# Altium PCB Copy of PCB_V0.0.PcbDoc (part 2 of 2)
Units mm, origin at the board's own origin, x right, y up, seen from the top; angles counter-clockwise.
Board outline 199 x 99 mm, 2 copper layers (Top Layer, Bottom Layer); 323 components, 326 nets, 1579 pads, 48 vias.
Unrouted connection lines stored in the file: 934.
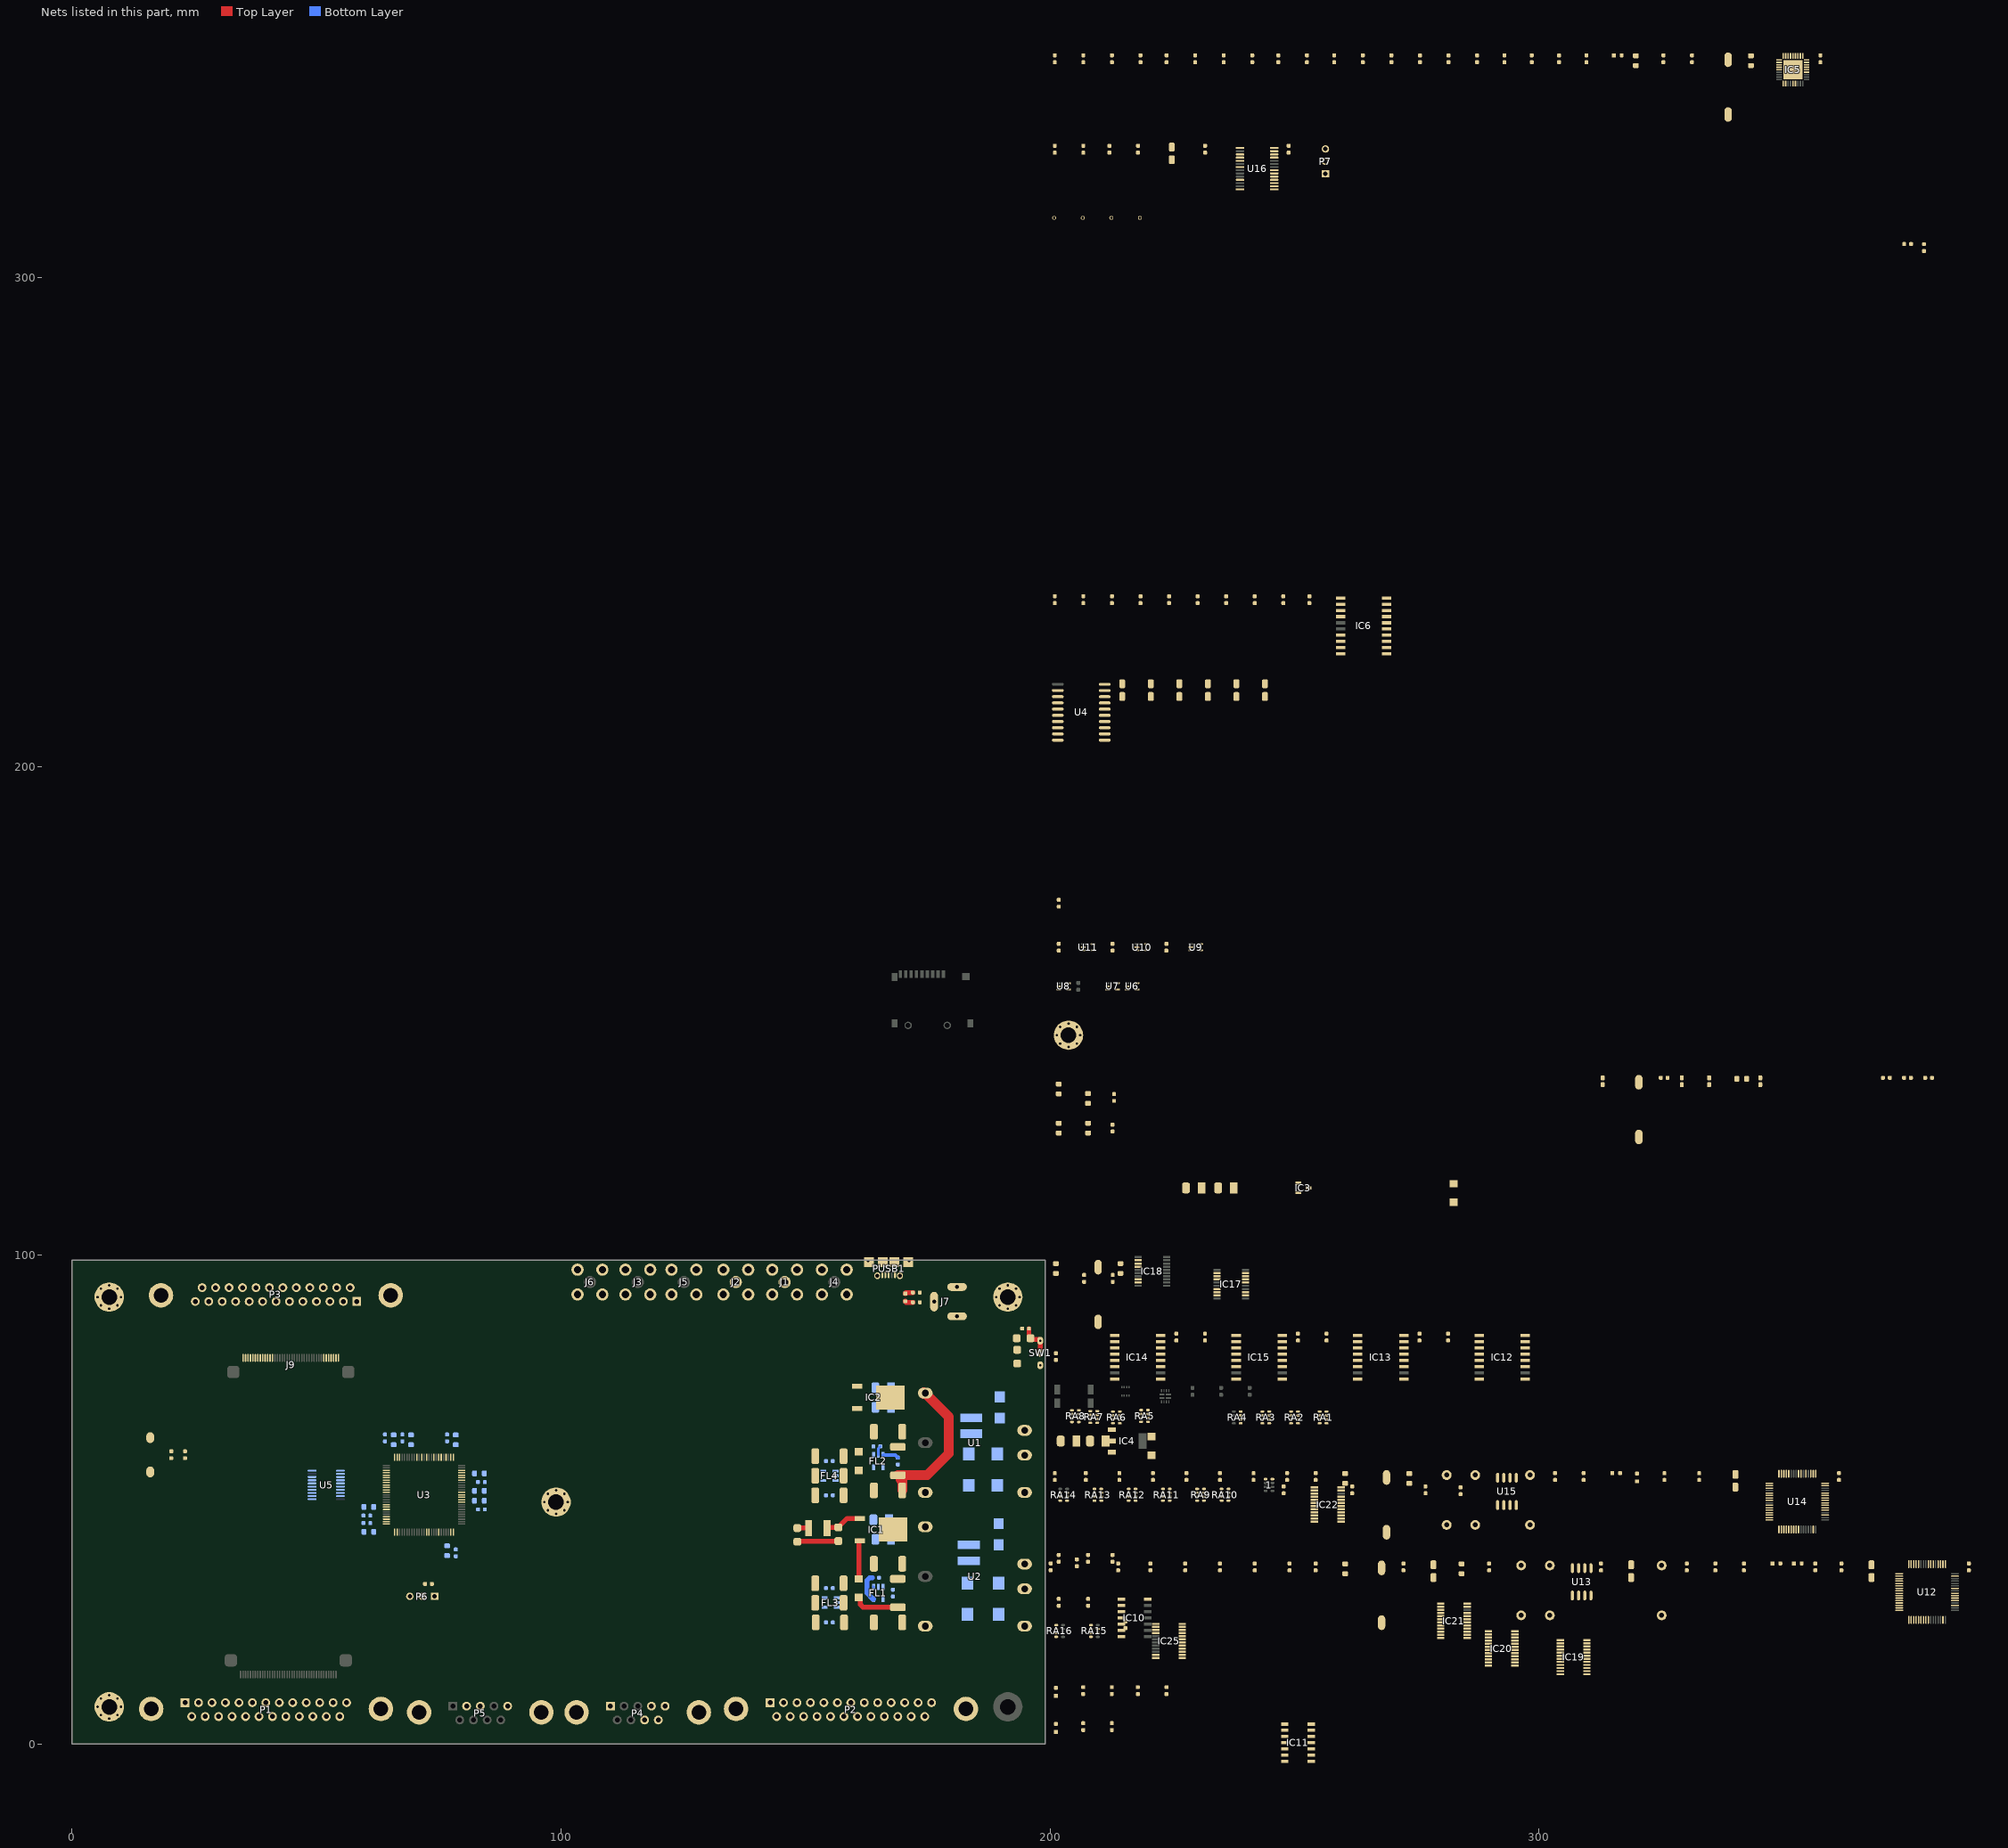
[diagram p2: the nets of this part, all layers, seen from the top]

## Part data
1 RA1 RA2 RA3 RA4 RA5 RA6 RA7 RA8 RA9 RA10 RA11 RA12 RA13 RA14 RA15 RA16: library part RES_SMD_PACK_X4, "RESISTOR, SMD, PACKX4", MANF=MANF, MANF_P#=MANF_PART#
C1 C39 C41 C42 C43 C44 C45 C46 C47 C48 C49 C50 C51 C83 C84 C86 C89 C91 C92 C93 C94 C95 C96 C97 C99 C100 C103 C104 C105 C106 C107 C108 C109 C110 C111 C113: library part CAP_SMD_FILM_1u16v_1210, "CAP, FILM, 1uF, 16V, Acryl, 20%, 1210", ASSEMBLY=ASSEMBLY, DESC=-, MANF=Panasonic, MANF_P#=ECP-U1C105MA5, PARAM="Acrylic, MetallizedStacked, 20%, -40~85oC", PARAM2=16V, PRICE="100= 36$"
C4: library part CAP_SMD_MLCC_10u16V, "CAP, MLCC, X5R, 10uF, 10%, 16V, 0603", MANF=Murata, MANF_P#=GRT188R61C106KE13D, PARAM="X5R, 10%, -55~85°C", PARAM2=16V, PRICE="100= 20$"
C9 C10 C11 C12 C13 C14 C15 C16: library part CAP_SMD_TAN, "CAP, SMD, TAN,", PARAM2=-V
C17: library part CAP_SMD_MLCC_1206, "CAP, MLCC, -F, -V, MATERIAL, -%, 0201", ASSEMBLY=ASSEMBLY, MANF=-, MANF_P#=MANF_PART#, PARAM="-, -%", PARAM2=-V, PRICE="100= 1$"
C22 C23 C25 C27 C29 C31 C33 C35 C118: library part CAP_SMD_MLCC_2.2u50V_0805, "CAP, MLCC", ASSEMBLY=ASSEMBLY, DESC="CAP, MLCC", DIST#=MOUSER, MANF="Taiyo Yuden", MANF_P#=UMK212ABJ225KG-T, PARAM="X5R, 10%", PARAM2=50V, PRICE="100= 10$"
C24 C26 C28 C30 C32 C34 C36 C37 C74 C75 C76 C77 C78 C79 C80 C81 C119: library part CAP_SMD_MLCC_2.2u50V_0603, "CAP, MLCC", ASSEMBLY=ASSEMBLY, DESC="CAP, MLCC", DIST#=MOUSER, MANF=TDK, MANF_P#=C1005X7R1H104K050BB, PARAM="X7R, 10%", PARAM2=50V, PRICE="1000= 27$"
C38 C40 C87 C90 C101 C102 C116 C117: library part CAP_SMD_MLCC, "CAP, MLCC, 1nF, 50V, C0G, 10%, 0402", ASSEMBLY=ASSEMBLY, DESC=-, MANF=Murata, MANF_P#=-, PARAM="C0G, 10%", PARAM2=50V, PRICE="100= 1.4$"
C52 C53 C54 C55 C56 C57 C58 C59 C66 C67 C68 C69 C70 C71 C72 C73: library part CAP_SMD_MLCC_10u25V_0603, "CAP, MLCC", MANF=Murata, MANF_P#=GRM188R61E106KA73, PARAM="X5R, 10%", PARAM2=25V, PRICE=100=15$
C60 C61 C62 C63 C64 C65 C82 C85 C88 C98 C112: library part CAP_SMD_TAN_10uF_6.3V, "CAP, SMD, TAN", MANF=VISHAY, MANF_P#=T55A106M6R3C0300, PARAM="20%, 300mOhm, -55~105oC", PARAM2=6.3V, PRICE=0.46$
D1 D8 D13 D14: library part LED_SMD_0603_RED, "LED, SMD, 0603, RED", ASSEMBLY=ASSEMBLY, DESC=DESCRIPTION, MANF=MANF, MANF_P#=MANF_PART#, PARAM="30mA, 640nm", PARAM2=1.8~2.5V, PRICE=PRICE
D2 D3: "Diode", Manufacturer_Name="HY Electronic", Height=2.44mm, Manufacturer_Part_Number=SS510B
D4 D5 D6 D7: "Diode", Manufacturer_Name=Shikues, Datasheet Link=https://eastronic88.en.made-in-china.com/print/FZStilOdyghn/China-Schottky-Barrier-Rectifier-Diode-SS24F-2-0A-40V-SMAF.html, Height=1.1mm, Manufacturer_Part_Number=SS24F
D9 D10 D11 D12: library part TVS_PGB0010603MR, "TVS, ESD PROTECT, 24VDC, Bidirectional", MANF=LittelFuse, MANF_P#=PGB0010603MR
FB1 FB2 FB3 FB4 FB5: library part FBEAD_SMD_MPZ1608S102, "FERRITE_Bead, 0603, 0.8A, 300mOhm, 1000@100MHz", MANF=TDK, MANF_P#=MPZ1608S102ATA00, PARAM=1000@100MHz, PARAM2=0.8A, PRICE="100= 3.4$"
FL1 FL2 FL3 FL4: "Filter", Manufacturer_Name="Texas Instruments", Mouser Part Number=595-INA180A3IDBVR, Arrow Part Number=INA180A3IDBVR, Arrow Price/Stock=https://www.arrow.com/en/products/ina180a3idbvr/texas-instruments?region=nac, Datasheet Link=http://www.ti.com/lit/gpn/INA180, Height=1.45mm, Manufacturer_Part_Number=INA180A3IDBVR, Mouser Price/Stock=https://www.mouser.co.uk/ProductDetail/Texas-Instruments/INA180A3IDBVR?qs=5aG0NVq1C4xT61h4EgbaIA%3D%3D
IC1 IC2: "Integrated Circuit", Manufacturer_Name=STMicroelectronics, Mouser Part Number=511-LF33CDT, Datasheet Link=http://www.st.com/web/en/resource/technical/document/datasheet/CD00000546.pdf, Height=2.4mm, Manufacturer_Part_Number=LF33CDT, Mouser Price/Stock=https://www.mouser.co.uk/ProductDetail/STMicroelectronics/LF33CDT?qs=tZUCD5p2VWo1sRQNOfAbrg%3D%3D
IC3: "Integrated Circuit", Arrow Part Number=MCP1700T-3302E/TT, Manufacturer_Name=Microchip, Mouser Part Number=579-MCP1700T3302E/TT, Arrow Price/Stock=https://www.arrow.com/en/products/mcp1700t-3302ett/microchip-technology?region=europe, Datasheet Link=https://datasheet.datasheetarchive.com/originals/distributors/SFDatasheet-4/sf-00090030.pdf, Height=1.12mm, Manufacturer_Part_Number=MCP1700T-3302E/TT, Mouser Price/Stock=https://www.mouser.co.uk/ProductDetail/Microchip-Technology/MCP1700T-3302E-TT?qs=fM4xO01eazPmCNDrdHEdaw%3D%3D
IC4: "Integrated Circuit", Manufacturer_Name=STMicroelectronics, Mouser Part Number=511-LD1117S18CTR, Arrow Part Number=LD1117S18CTR, Arrow Price/Stock=https://www.arrow.com/en/products/ld1117s18ctr/stmicroelectronics?region=nac, Datasheet Link=http://www.st.com/st-web-ui/static/active/en/resource/technical/document/datasheet/CD00000544.pdf, Height=1.8mm, Manufacturer_Part_Number=LD1117S18CTR, Mouser Price/Stock=https://www.mouser.co.uk/ProductDetail/STMicroelectronics/LD1117S18CTR?qs=qolwYojYp3Sa3BPkKnJupg%3D%3D
IC5: "Integrated Circuit", Manufacturer_Name=Microchip, Mouser Part Number=886-USB2514B-AEZG, Arrow Part Number=USB2514B-AEZG, Arrow Price/Stock=https://www.arrow.com/en/products/usb2514b-aezg/microchip-technology?region=nac, Datasheet Link=http://ww1.microchip.com/downloads/en/DeviceDoc/00001692C.pdf, Height=1mm, Manufacturer_Part_Number=USB2514B-AEZG, Mouser Price/Stock=https://www.mouser.co.uk/ProductDetail/Microchip-Technology/USB2514B-AEZG?qs=ydWXD%252B8LvLCxuNqQPTEcVA%3D%3D
IC6: "Integrated Circuit", Manufacturer_Name="Analog Devices", Mouser Part Number=584-ADM2587EBRWZ, Arrow Part Number=ADM2587EBRWZ, Arrow Price/Stock=https://www.arrow.com/en/products/adm2587ebrwz/analog-devices?region=nac, Datasheet Link=http://www.analog.com/static/imported-files/data_sheets/ADM2582E_2587E.pdf, Height=2.65mm, Manufacturer_Part_Number=ADM2587EBRWZ, Mouser Price/Stock=https://www.mouser.co.uk/ProductDetail/Analog-Devices/ADM2587EBRWZ?qs=BpaRKvA4VqEzsBsna6VmlA%3D%3D
IC10 IC11: "Integrated Circuit", Manufacturer_Name="Texas Instruments", Mouser Part Number=595-SN74LVC07AD, Arrow Part Number=SN74LVC07AD, Arrow Price/Stock=https://www.arrow.com/en/products/sn74lvc07ad/texas-instruments?region=nac, Datasheet Link=http://www.ti.com/lit/ds/symlink/sn74lvc07a.pdf, Height=1.75mm, Manufacturer_Part_Number=SN74LVC07AD, Mouser Price/Stock=https://www.mouser.co.uk/ProductDetail/Texas-Instruments/SN74LVC07AD?qs=8yeEWhuAOtMkbU1H3MsIVg%3D%3D
IC12 IC13 IC14 IC15: "Integrated Circuit", Manufacturer_Name="Analog Devices", Mouser Part Number=584-ADUM1400BRWZ-R, Arrow Part Number=ADUM1400BRWZ-RL, Arrow Price/Stock=https://www.arrow.com/en/products/adum1400brwz-rl/analog-devices?region=nac, Datasheet Link=https://www.analog.com/ADUM1400/datasheet, Height=2.65mm, Manufacturer_Part_Number=ADUM1400BRWZ-RL, Mouser Price/Stock=https://www.mouser.co.uk/ProductDetail/Analog-Devices/ADUM1400BRWZ-RL?qs=WIvQP4zGanh%2FP3K3z%252BgM%252Bw%3D%3D
IC17 IC18: "Integrated Circuit", Manufacturer_Name="Texas Instruments", Mouser Part Number=595-TMUX1134PWR, Arrow Part Number=TMUX1134PWR, Arrow Price/Stock=null?region=nac, Datasheet Link=https://www.ti.com/lit/gpn/TMUX1134, Height=1.2mm, Manufacturer_Part_Number=TMUX1134PWR, Mouser Price/Stock=https://www.mouser.co.uk/ProductDetail/Texas-Instruments/TMUX1134PWR?qs=%252B6g0mu59x7L8VGQncKsYmQ%3D%3D
IC19 IC20 IC21 IC22 IC25: "Integrated Circuit", Manufacturer_Name="Texas Instruments", Mouser Part Number=595-SN74LVC8T245DBQR, Arrow Part Number=SN74LVC8T245DBQR, Arrow Price/Stock=https://www.arrow.com/en/products/sn74lvc8t245dbqr/texas-instruments?region=nac, Datasheet Link=http://www.ti.com/lit/gpn/sn74lvc8t245, Height=1.75mm, Manufacturer_Part_Number=SN74LVC8T245DBQR, Mouser Price/Stock=https://www.mouser.co.uk/ProductDetail/Texas-Instruments/SN74LVC8T245DBQR?qs=dT9u2OTAaVXsrjZUGB3%252Bbw%3D%3D
IC23: "Integrated Circuit", Manufacturer_Name="Texas Instruments", Mouser Part Number=595-TPS2121RUXR, Arrow Part Number=TPS2121RUXR, Arrow Price/Stock=null?utm_currency=USD&region=nac, Datasheet Link=https://www.ti.com/lit/gpn/TPS2121, Height=1mm, Manufacturer_Part_Number=TPS2121RUXR, Mouser Price/Stock=https://www.mouser.co.uk/ProductDetail/Texas-Instruments/TPS2121RUXR?qs=qSfuJ%252Bfl%2Fd7dCYiVnUfngQ%3D%3D
IC24: "Integrated Circuit", Manufacturer_Name="Texas Instruments", Mouser Part Number=595-TPS2116DRLR, Arrow Part Number=TPS2116DRLR, Arrow Price/Stock=https://www.arrow.com/en/products/tps2116drlr/texas-instruments?region=nac, Datasheet Link=https://www.ti.com/lit/gpn/tps2116, Height=0.6mm, Manufacturer_Part_Number=TPS2116DRLR, Mouser Price/Stock=https://www.mouser.co.uk/ProductDetail/Texas-Instruments/TPS2116DRLR?qs=aP1CjGhiNiGo3XAyXcVPaQ%3D%3D
J1 J2 J3 J4 J5 J6: library part CONN_RF_SMA_RA, "CONN, RF, SMA, Right Angle", ASSEMBLY=ASSEMBLY, DESC=DESCRIPTION, DIST#=DIGIKEY, MANF=Samtec, MANF_P#=SMA-J-P-H-RA-TH1, PARAM="50Ohm, 20GHz", PARAM2=GOLD, PRICE=6.3$
J7: library part CONN_PWR_JACKR2, "CONN, PWR JACK DC, PLUG DIAM 2.0MM RA THD", MANF="CUI STACK", MANF_P#="PJ-202A, PJ-002AH, PJ-102AH, KLDX-0202"
J8: "Connector", Manufacturer_Name=Suntech, Datasheet Link=http://datasheet.octopart.com/ST-TF-003A-Suntech-datasheet-30458645.pdf, Manufacturer_Part_Number=ST-TF-003A
J9 J10: "CONN, FPC, 0.50mm pitch, RightAngle, Bot. Contact", ComponentLink1Description="Website Smart World", ComponentLink1URL=https://www.smartw.ir/, ComponentLink2Description=Telegram, ComponentLink2URL=https://t.me/altium_smartw, ComponentLink3Description=Instagram, ComponentLink3URL=https://Instagram.com/smartgw.ir, DatasheetVersion=2021
L2 L3: library part CD43NP-220MC, "Inductor", Manufacturer_Name=Sumida, Mouser Part Number=851-CD43NP-220MC, Arrow Part Number=CD43NP-220MC, Arrow Price/Stock=https://www.arrow.com/en/products/cd43np-220mc/sumida?region=nac, Datasheet Link=https://products.sumida.com/products/pdf/CD43.pdf, Height=3.5mm, Manufacturer_Part_Number=CD43NP-220MC, Mouser Price/Stock=https://www.mouser.co.uk/ProductDetail/Sumida/CD43NP-220MC?qs=ttApTud31JYLH5yY3TuJPg%3D%3D
M1 M2 M3 M4 M5 M6: library part SCMH_M3, "SCREW mouting, M3, 3.0mm diameter and 6.0mm PanHead", ASSEMBLY=DNP
P1 P2 P3: library part CONN_DSUB_25RF, "CONN, DSUB, HD, 25PIN, R/A, FEMALE, THD", MANF=-, MANF_P#=-
P4 P5: library part CONN_DSUB_9RF, "CONN, DSUB, HD, 9PIN, R/A, FEMALE, THD", MANF=-, MANF_P#=-
P6 P7: "Header, 3-Pin", ComponentLinkp-URL=https://www.smartw.ir/, DatasheetVersion=2020
PUSB1: library part CONN_USB_MICRO_AB_TM_SHT, "CONN, USB, MICRO AB, R/A, SMD, TOP MOUNT", MANF=MOLEX, MANF_P#=47590-0001, PARAM="1.8A, -20~85oC", PARAM2=30VAC, PRICE=0.75$
R1 R7 R8 R9 R10 R12 R13 R14 R15 R16 R17 R18 R19 R20 R21 R22 R23 R24 R33 R36 R39 R40 R41 R42 R43 R44 R45 R46 R47 R51 R52 R53 R54 R55 R56 R57 R58 R62 R63 R64 R65 R66 R67 R68 R69 R70 R71 R72 R73 R74 R75 R76 R77 R78 R79 R80 R81 R82: library part RES_SMD_0603, "RESISTOR, SMD", ASSEMBLY=ASSEMBLY, DESC=DESCRIPTION, DIST#=MOUSER, MANF=-, MANF_P#=-, PARAM=-W, PARAM2=1%, PRICE="100= 0.5$"
R2 R3 R4 R5 R25 R26 R27 R28 R29 R30 R31 R32: library part RES_SMD_2512, "RESISTOR, SMD", ASSEMBLY=ASSEMBLY, DESC=DESCRIPTION, DIST#=MOUSER, MANF=-, MANF_P#=-, PARAM=-W, PARAM2=1%, PRICE="100= 0.5$"
R6: library part RES_SMD_1206, "RESISTOR, SMD", ASSEMBLY=ASSEMBLY, DESC=DESCRIPTION, DIST#=MOUSER, MANF=-, MANF_P#=-, PARAM=-W, PARAM2=1%, PRICE="100= 0.5$"
R11: library part RES_SMD, "RESISTOR, SMD", ASSEMBLY=ASSEMBLY, DESC=DESCRIPTION, DIST#=MOUSER, MANF=-, MANF_P#=-, PARAM=-W, PARAM2=1%, PRICE="100= 0.5$"
R34 R35 R37 R38: library part RES_SMD_0805, "RESISTOR, SMD", ASSEMBLY=ASSEMBLY, DESC=DESCRIPTION, DIST#=MOUSER, MANF=-, MANF_P#=-, PARAM=-W, PARAM2=1%, PRICE="100= 0.5$"
R48 R49 R50 R59 R60 R61: library part RES_THD, "RESISTOR, THD", ASSEMBLY=ASSEMBLY, DESC=DESCRIPTION, DIST#=MOUSER, MANF="KOA SPEER", MANF_P#=RK73H1ETTP4701F, PARAM=0.063W, PARAM2=1%, PRICE="100= 0.5$"
SCRW1 SCRW2 SCRW3 SCRW4 SCRW5 SCRW6: library part SCRW_PANH_PHLIPS_M3X5, "SCREW, M3, 3.0mm diameter and 6.0mm PanHead", ASSEMBLY=DNP
SW1: library part SWSLIDT_SPDT_R_8X4, "SWITCH, SLIDE, SPDT, 8X4mm, THD", ASSEMBLY=ASSEMBLY, DESC=DESCRIPTION, MANF=Apem, MANF_PART#=MHSS1105, PARAM=PARAM, PRICE=0.5$
SW2: library part SWPBS_SPST_6X3X5, "SWITCH, PUSH BUTTON, TACTILE, SMD, SPST, 6X3.5X5mm", ASSEMBLY=ASSEMBLY, DESC=DESCRIPTION, MANF=ALPS, MANF_P#=SKQMBBE010, PARAM=PARAM, PRICE=PRICE
TP1 TP2 TP3 TP4: "TEST POINT", MANF=MANF, MANF_P#=MANF_P#
U1 U2: "DC-DC Converter, Isolated, 10W", DESC=https://www.minmax.com.tw/en/download/files/546/MJWI10_Datasheet.pdf, MANF=MINMAX, MANF_P#=MJWI10-24S05, PARAM="2000mA, -40~80°C", PARAM2="9~36(24)Vin, 5Vout, 10W"
U3: "ARMÂ® CortexÂ®-M7 STM32H7 Microcontroller IC 32-Bit Single-Core 280MHz 128KB (128K x 8) FLASH 100-LQFP (14x14)", Package="LQFP-100 STMicroelectronics", Availability="In Stock", Check_prices=https://www.snapeda.com/parts/STM32H7B0VBT6/STMicroelectronics/view-part/?ref=eda, MF=STMicroelectronics, MP=STM32H7B0VBT6, PRICE=None, Purchase-URL=https://pricing.snapeda.com/search/part/STM32H7B0VBT6/?ref=eda, SnapEDA_Link=https://www.snapeda.com/parts/STM32H7B0VBT6/STMicroelectronics/view-part/?ref=snap
U4: library part ADM3251_SO16W, "RS-485 Transceiver, Isolated, iIntegrated Transformer Driver, 460kbps", MANF="Analog Devices", MANF_P#=ADM3251EARWZ, PARAM="2.5KV Isolating, 460kbps, -40~85°C", PARAM2="5/3.3 (VDD1)", PRICE=7$
U5: library part TXB0108_TSSOP20, "Buffer, VOLTAGE-LEVEL TRANSLATOR, 8-BIT, BIDIRECTIONAL, AUTO-DIRECTION SENSING", DESC=50mA, MANF="Texas Instruments", MANF_P#=TXB0108PWR, PARAM="8-BIT, BIDIRECTIONAL, AUTO-DIRECTION SENSING", PARAM2="1.2~3.6VCCA, 1.65~5.5V VCCB (VCCA <= VCCB)"
U6 U7 U8 U9 U10 U11: library part NOT_SN74LVC1G04_SOT353, "GATE, NOT, SINGLE, SOT353 SMD", MANF="Texas Instruments", MANF_P#=SN74LVC1GU04DCK, PARAM2=2~5.5V
U12 U14: library part FT2232HL_QFP64, "USB, DUAL, Multipurpose UART/FIFO, USB High Speed", MANF=FTDI, MANF_P#=FT2232HL, PARAM2=3.3V
U13 U15: library part EEPROM_SPI_AT93C46_SOP8, "EEPROM, SPI, 1KBIT, SOP-8"
U16: library part FT232RL_SSOP28, "USB-UART, Asynchronous Serial Data Transfer Chip, SSOP-28", MANF=FTDI, MANF_P#=FT232RL, PARAM2="3.3~5.25Vcc, 1.8~5.25VIO"
X1: library part XTL_2_32.768_2012EP, "Crystal, 32.768KHz, 12pF, 20PPM", MANF=EPSON, MANF_P#="FC-12M 32.7680KA-A3", PARAM=-40~85oC, PARAM2="12pF, 20PPM", PRICE=0.8$
X2 X3 X4 X5: library part XTL_2_HC49_8MHz_SMD, "Crystal MOST POPULAR ABL HC49 PACKAGE", MANF=ABRACON, MANF_P#=ABLS-8.000MHZ-B4-T, PARAM="8MHz, 18pF, 30PPM, -20~70oC", PRICE=0.3$
Y1: library part Crystal, "Crystal", ComponentLink1Description="Website Smart World", ComponentLink1URL=https://www.smartw.ir/, ComponentLink2Description=Telegram, ComponentLink2URL=https://t.me/altium_smartw, ComponentLink3Description=Instagram, ComponentLink3URL=https://Instagram.com/smartgw.ir, DatasheetVersion=2021
C2 C3 C5 C6 C7 C8 C18 C19 C20 C21 C114 C115 L1: ComponentLink1Description="Website Smart World", ComponentLink1URL=https://www.smartw.ir/, ComponentLink2Description=Telegram, ComponentLink2URL=https://t.me/altium_smartw, ComponentLink3Description=Instagram, ComponentLink3URL=https://Instagram.com/smartgw.ir, DatasheetVersion=2021

## Via types
v1: diameter 0.8, hole 0.5, Top Layer to Bottom Layer, 48 vias

## Nets (pads, with @x,y where several pads share a name; then routed paths per layer and width w, separated by ;. In a path a pad name is that pad's centre, name@x,y a point inside that pad or via, vN(x,y) a via of type N, cw(c..) or ccw(c..) an arc to the next point about the centre after c; other vN are vias at no path point)
50_OHM: IC18.8 J2.1 U7.2
50_OHM_CN: IC18.9 R75.1
"+1V8 ISO": C15.1 D7.1 IC4.2
"+3V3 ISO_Current_Measurement": FL4.1 J9.7
"+3V3 Main_Current_Measurement": FL3.1 U3.34
+5_Current_Measurement: FL1.1 U3.32 | length 0.1
  Bottom Layer w0.5: FL1.1@163.892,32.198 163.942,32.148 FL1.1@163.942,32.138
+5V: C55.2 FL3.5
+5VISO_Current_Measurement: FL2.1 J9.6
+Vin: C1.1 D2.2 D3.2 J7.1 R1.2 R6.1
\G\P\I\0\_\I\N\: 
\G\P\I\1\_\I\N\: 
\G\P\I\2\_\I\N\: 
\G\P\I\3\_\I\N\: 
\G\P\I\4\_\I\N\: 
\G\P\I\5\_\I\N\: 
\G\P\I\6\_\I\N\: 
\G\P\I\7\_\I\N\: 
\G\P\O\0\_\O\U\T\: 
\G\P\O\1\_\O\U\T\: 
\G\P\O\2\_\O\U\T\: 
\G\P\O\3\_\O\U\T\: 
\G\P\O\4\_\O\U\T\: 
\G\P\O\5\_\O\U\T\: 
\G\P\O\6\_\O\U\T\: 
\G\P\O\7\_\O\U\T\: 
"\P\O\W\E\R\E\N\ _FT IN": D13.2 IC19.22 IC20.22 IC25.22 R76.2 U12.60
"\P\O\W\E\R\E\N\ _FT OUT": D14.2 R80.2 U14.60
A_485: IC6.18 P4.4
AGND: J1.2 J1.3 J1.4 J1.5 J2.2 J2.3 J2.4 J2.5 J3.2 J3.3 J3.4 J3.5 J4.2 J4.3 J4.4 J4.5 J5.2 J5.3 J5.4 J5.5 J6.2 J6.3 J6.4 J6.5
B_485: IC6.17 P4.5
BD1(SDA,RX): IC17.3 R45.2 U12.39
BD2(MISO_SPI,TDO_JTAG): IC17.18 R55.2 U14.40
"BD3(CS_SPI , TMS_JTAG)": IC11.9 IC11.11 R56.2 U14.41
BOOT0_MainMCU: R12.1 U3.94
CRFILT: C42.1 C43.1 IC5.14
CS_DISP: J9.5 U3.69
CS_SPI: P1.1 RA6.8
CS_SPI_1: IC11.8 IC20.7
Current_Measurement_1_in+: R3.1 R26.1 U2.3
Current_Measurement_1_in-: C2.2 C9.1 C52.2 D5.2 FL1.5 IC1.1 J9.38 L1.1 R3.2 R25.2 R64.1 TP1.1 U5.2 U6.5 U7.5 U8.5 U9.5 U10.5 U11.5 | length 22.7
  Top Layer w1: L1.1@154.432,44.196 154.562,44.326 C2.2@156.718,44.326 158.56,46.168 IC1.1@161.092,46.168 ; D5.2@160.892,29.988 160.942,29.988 161.207,29.723 161.207,28.574 161.793,27.988 R3.2@168.892,27.988
  Bottom Layer w1: C52.2@163.638,34.036 163.146,34.036 162.56,33.45 162.56,30.92 163.842,29.638 FL1.5@163.942,29.638
Current_Measurement_2_in+: C14.1 D4.2 IC3.3 R2.1 R29.1 U1.3 | length 29.7
  Top Layer w2: R2.1@168.892,54.988 169.492,54.988 174.876,54.988 179.324,59.436 179.324,66.964 U1.3@174.932,71.356 ; R2.1@169.292,54.988 169.492,54.788 169.492,54.116 169.792,53.816 R29.1@169.792,51.888 ; U1.3@174.17,71.61 U1.3@174.17,71.956
Current_Measurement_2_in-: C11.1 C54.2 C58.2 D6.2 FL2.5 FL4.5 IC2.1 J9.37 R2.2 R27.2 TP4.1
Current_Measurement_3_in+: C10.1 C74.1 C76.1 C78.1 C80.1 D5.1 IC1.3 IC12.1 IC13.1 IC14.16 IC15.16 IC19.1 IC20.1 IC25.1 J9.40 R4.2 R8.1 R14.1 R30.1 R43.1 R53.1 R68.1 R82.1 TP2.1 | length 8
  Top Layer w1: D5.1@160.892,33.788 160.892,41.608 IC1.3@161.092,41.608
Current_Measurement_3_in-: R4.1 R28.2
Current_Measurement_4_in+: C12.1 D6.1 IC2.3 R5.2 R32.1
Current_Measurement_4_in-: 1.1 C75.1 C77.1 C79.1 C81.1 IC12.16 IC13.16 IC14.1 IC15.1 IC21.1 IC22.1 J9.39 R5.1 R31.2 R71.1 RA8.5 RA8.6 RA8.7 RA8.8 RA9.2 RA9.3 RA9.4 RA11.8 RA12.1 RA12.5 RA12.6 RA12.7 RA13.2 RA13.3 RA13.4 TP3.1
DC_DISP: J9.4 U3.68
FT232_VCCIO: C110.2 P7.2 R65.2 U16.4
FT232_VDD: C112.1 C113.1 P7.1 R64.2 R66.1 U16.20
FT2232_East_3V3: C100.1 C106.1 C107.1 C108.1 C109.1 R53.2 R54.1 R55.1 R56.1 R59.1 R78.1 R79.1 R80.1 R81.1 U14.20 U14.31 U14.42 U14.50 U14.56 U15.6 U15.8
FT2232_East_DM: D11.2 IC5.3 R57.1
FT2232_East_DP: D12.2 IC5.4 R58.1
FT2232_West_3V3: C84.1 C94.1 C95.1 C96.1 C97.1 FB4.1 FB5.1 R43.2 R44.1 R45.1 R48.1 R76.1 R77.1 U12.20 U12.31 U12.42 U12.50 U12.56 U13.6 U13.8
FT2232_West_DM: D9.1 IC5.1 R46.1
FT2232_West_DP: D10.1 IC5.2 R47.1
FT2232_West_VPHY: C88.1 C89.1 FB5.2 U12.4
FT2232_West_VPLL: C85.1 C86.1 FB4.2 U12.9
GND: C2.1 C3.1 C4.1 C9.2 C10.2 C18.1 C19.1 C20.1 C21.1 C22.2 C23.2 C24.2 C25.2 C26.2 C27.2 C28.2 C29.2 C30.2 C31.2 C32.2 C33.2 C34.2 C35.2 C36.2 C37.2 C38.2 C39.1 C40.2 C41.2 C42.2 C43.2 C44.2 C45.2 C46.1 C47.1 C48.1 C49.1 C50.2 C51.2 C52.1 C55.1 C60.2 C66.2 C67.1 C70.1 C71.2 C74.2 C76.2 C78.2 C80.2 C82.2 C83.2 C84.2 C85.2 C86.2 C87.2 C88.2 C89.2 C90.2 C91.2 C92.2 C93.2 C94.2 C95.2 C96.2 C97.2 C98.2 C99.2 C100.2 C101.2 C102.2 C103.2 C104.2 C105.2 C106.2 C107.2 C108.2 C109.2 C110.1 C111.2 C112.2 C113.2 C116.2 C117.2 C118.2 C119.2 D9.2 D10.2 D11.1 D12.1 FL1.2 IC1.4 IC5.11 IC5.37 IC6.1 IC6.3 IC6.9 IC6.10 IC10.7 IC11.7 IC12.2 IC12.8 IC13.2 IC13.8 IC14.9 IC14.15 IC15.9 IC15.15 IC19.11 IC19.12 IC19.13 IC20.11 IC20.12 IC20.13 IC25.11 IC25.12 IC25.13 J9.34 P1.15 P1.16 P1.17 P1.18 P1.19 P1.20 P1.21 P1.22 P1.23 P1.24 P1.25 P6.3 PUSB1.5 R18.1 R19.1 R20.1 R23.1 R24.1 R49.1 R52.2 R60.1 R63.2 R67.2 R75.2 SW2.1 U2.5 U3.10 U3.19 U3.26 U3.49 U3.74 U3.99 U4.4 U4.5 U4.6 U4.7 U4.10 U5.11 U6.3 U7.3 U8.3 U9.3 U10.3 U11.3 U12.1 U12.5 U12.10 U12.11 U12.13 U12.15 U12.25 U12.35 U12.47 U12.51 U13.5 U13.7 U14.1 U14.5 U14.10 U14.11 U14.13 U14.15 U14.25 U14.35 U14.47 U14.51 U15.5 U15.7 U16.7 U16.18 U16.21 U16.25 U16.26 | length 8.4
  Top Layer w1: C3.1@148.336,41.396 148.401,41.461 156.653,41.461 C2.1@156.718,41.526
GND1: C1.2 C5.1 C6.1 C7.1 C8.1 C17.1 D1.2 J7.2 J7.3 R7.1 U1.2 U2.2 | length 1.7
  Top Layer w1: D1.2@170.382,90.566 170.582,90.366 C1.2@171.982,90.366
GND_ISO: C11.2 C12.2 C13.2 C14.2 C15.2 C16.2 C54.1 C58.1 C75.2 C77.2 C79.2 C81.2 FL2.2 FL3.2 FL4.2 IC2.4 IC3.1 IC4.1 IC12.9 IC12.15 IC13.9 IC13.15 IC14.2 IC14.8 IC15.2 IC15.8 IC21.11 IC21.12 IC21.13 IC22.11 IC22.12 IC22.13 J9.35 P2.1 P2.2 P2.3 P2.4 P2.5 P2.6 P2.7 P2.8 P2.9 P2.10 P2.11 P2.12 P2.13 P3.1 P3.2 P3.3 P3.4 P3.5 P3.6 P3.7 P3.8 P3.9 P3.10 P3.11 P3.12 P3.13 R69.1 R70.1 U1.5 | length 1.9
  Bottom Layer w0.5: FL2.2@164.892,59.138 164.892,60.488 C54.1@165.292,60.888
GND_SER_232: C61.2 C65.1 P5.5 U4.11
GND_SER_485: C68.2 C69.1 C73.1 FB3.2 IC6.14 IC6.16 IC6.20 P4.1
GPI0_IN: IC21.21 P3.15 RA8.1
GPI0_IN_Buff: IC15.3 RA7.1
GPI0_OUT_Buff: IC15.14 U12.16
GPI1_IN: IC21.20 P3.16 RA8.2
GPI1_IN_Buff: IC15.4 RA7.2
GPI1_OUT_Buff: IC15.13 U12.17
GPI2_IN: IC21.19 P3.17 RA8.3
GPI2_IN_Buff: IC15.5 RA7.3
GPI2_OUT_Buff: IC15.12 U12.18
GPI3_IN: IC21.18 P3.18 RA8.4
GPI3_IN_Buff: IC15.6 RA7.4
GPI3_OUT_Buff: IC15.11 U12.19
GPI4_IN: IC21.17 P3.19 RA11.1
GPI4_IN_Buff: IC14.3 RA10.1
GPI4_OUT_Buff: IC14.14 U12.21
GPI5_IN: IC21.16 P3.20 RA12.2
GPI5_IN_Buff: IC14.4 RA11.2
GPI5_OUT_Buff: IC14.13 U12.22
GPI6_IN: IC21.15 P3.21 RA12.3
GPI6_IN_Buff: IC14.5 RA10.3
GPI6_OUT_Buff: IC14.12 U12.23
GPI7_IN: IC21.14 P3.22 RA12.4
GPI7_IN_Buff: IC14.6 RA11.4
GPI7_OUT_Buff: IC14.11 U12.24
GPO0_IN: IC12.3 U14.16
GPO0_OUT: 1.8 IC12.14 IC22.3
GPO0_OUT_Buff: P2.15 RA9.8
GPO1_IN: IC12.4 U14.17
GPO1_OUT: IC12.13 IC22.4 RA9.7
GPO1_OUT_Buff: P2.16 RA10.7
GPO2_IN: IC12.5 U14.18
GPO2_OUT: IC12.12 IC22.5 RA9.6
GPO2_OUT_Buff: P2.17 RA11.6
GPO3_IN: IC12.6 U14.19
GPO3_OUT: IC12.11 IC22.6 RA9.5
GPO3_OUT_Buff: P2.18 RA10.5
GPO4_IN: IC13.3 U14.21
GPO4_OUT: IC13.14 IC22.7 RA12.8
GPO4_OUT_Buff: P2.19 RA13.8
GPO5_IN: IC13.4 U14.22
GPO5_OUT: IC13.13 IC22.8 RA13.7
GPO5_OUT_Buff: P2.20 RA14.7
GPO6_IN: IC13.5 U14.23
GPO6_OUT: IC13.12 IC22.9 RA13.6
GPO6_OUT_Buff: P2.21 RA14.6
GPO7_IN: IC13.6 U14.24
GPO7_OUT: IC13.11 IC22.10 RA13.5
GPO7_OUT_Buff: P2.22 RA14.5
GPO_MCU_1: U3.55 U5.1
GPO_MCU_2: U3.56 U5.3
GPO_MCU_3: U3.57 U5.4
GPO_MCU_4: U3.58 U5.5
GPO_MCU_5: U3.59 U5.6
GPO_MCU_6: U3.60 U5.7
GPO_MCU_7: U3.61 U5.8
GPO_MCU_8: U3.62 U5.9
GPO_MCU_Buffer_1: P1.6 U5.20
GPO_MCU_Buffer_2: P1.7 U5.18
GPO_MCU_Buffer_3: P1.8 U5.17
GPO_MCU_Buffer_4: P1.9 U5.16
GPO_MCU_Buffer_5: P1.10 U5.15
GPO_MCU_Buffer_6: P1.11 U5.14
GPO_MCU_Buffer_7: P1.12 U5.13
GPO_MCU_Buffer_8: P1.13 U5.12
HUB_3V3: C39.2 C41.1 C46.2 C47.2 C48.2 C49.2 IC5.5 IC5.10 IC5.15 IC5.23 IC5.29 IC5.36 R14.2 R16.1 R17.1 R21.2
MainMCU_3V3: C23.1 C24.1 C25.1 C26.1 C27.1 C28.1 C29.1 C30.1 C31.1 C32.1 P6.1 R8.2 R9.2 R13.2 U3.11 U3.27 U3.50 U3.75 U3.100
MCU_SUP_3V3ISO: C13.1 D4.1 IC3.2
MISO_SPI: IC19.19 P1.3 RA2.3
MISO_SPI_1: IC17.17 RA1.3
MOSI_DISP: J9.1 U3.31
MOSI_SPI: P1.2 RA3.5
MOSI_SPI_1: IC11.5 IC11.13 U14.39
MOSI_SPI_2: IC11.6 IC20.6
NetC4_2: C4.2 FB1.1 PUSB1.1
NetC5_2: C5.2 D2.1 L2.1
NetC6_2: C6.2 L2.2 U1.1
NetC7_2: C7.2 D3.1 L3.1
NetC8_2: C8.2 L3.2 U2.1
NetC16_1: C16.1 D7.2 IC4.3
NetC17_2: C17.2 R7.2 SW1.1 SW1.2 | length 6.9
  Top Layer w1: R7.2@195.7,85 195.7,83.3 C17.2@196,83 196.262,82.738 197.908,82.738 198,82.646 SW1.1@198,82.5 SW1.2@198,80
NetC38_1: C38.1 IC5.33 R15.2 X2.2
NetC40_1: C40.1 IC5.32 R15.1 X2.1
NetC53_1: C53.1 FL1.4 R25.1
NetC53_2: C53.2 FL1.3 R26.2
NetC56_1: C56.1 FL2.4 R27.1
NetC56_2: C56.2 FL2.3 R29.2 | length 3.3
  Bottom Layer w0.7: FL2.3@165.842,59.138 168.342,59.138 C56.2@168.892,58.588
NetC57_1: C57.1 FL3.4 R28.1
NetC57_2: C57.2 FL3.3 R30.2
NetC59_1: C59.1 FL4.4 R31.1
NetC59_2: C59.2 FL4.3 R32.2
NetC61_1: C61.1 C62.2 U4.20
NetC62_1: C62.1 U4.19
NetC63_1: C63.1 U4.18
NetC63_2: C63.2 U4.17
NetC64_1: C64.1 U4.14
NetC64_2: C64.2 U4.13
NetC65_2: C65.2 U4.12
NetC68_1: C68.1 C69.2 C73.2 FB2.2 IC6.19
NetC72_1: C72.1 FB3.1 IC6.11
NetC72_2: C72.2 FB2.1 IC6.12
NetC87_1: C87.1 U12.2 X3.2
NetC90_1: C90.1 U12.3 X3.1
NetC101_1: C101.1 U14.2 X4.2
NetC102_1: C102.1 U14.3 X4.1
NetC111_1: C111.1 P7.3 U16.17
NetC116_1: C116.1 U16.27 X5.2
NetC117_1: C117.1 U16.28 X5.1
NetD1_1: D1.1 R1.1 | length 1.7
  Top Layer w1: D1.1@170.382,92.166 170.582,92.366 R1.1@171.982,92.366
NetD8_1: D8.1 R17.2
NetD8_2: D8.2 IC5.28 R16.2
NetD13_1: D13.1 R77.2
NetD14_1: D14.1 R81.2
NetIC5_22: IC5.22 R18.2
NetIC5_24: IC5.24 R19.2
NetIC5_25: IC5.25 R20.2
NetIC6_4: IC6.4 R37.2
NetIC6_7: IC6.7 R38.2
NetIC19_2: IC19.2 R69.2
NetIC19_3: IC19.3 RA1.8
NetIC19_4: IC19.4 RA1.7
NetIC19_5: IC19.5 RA1.6
NetIC19_6: IC19.6 RA1.5
NetIC19_7: IC19.7 RA4.8
NetIC19_8: IC19.8 RA4.7
NetIC19_9: IC19.9 RA4.6
NetIC19_10: IC19.10 RA4.5
NetIC19_14: IC19.14 RA5.4
NetIC19_15: IC19.15 RA5.3
NetIC19_16: IC19.16 RA5.2
NetIC19_17: IC19.17 RA5.1
NetIC20_2: IC20.2 R68.2
NetIC20_14: IC20.14 RA6.4
NetIC20_15: IC20.15 RA6.3
NetIC20_16: IC20.16 RA6.2
NetIC20_17: IC20.17 RA6.1
NetIC20_18: IC20.18 RA3.4
NetIC20_19: IC20.19 RA3.3
NetIC20_20: IC20.20 RA3.2
NetIC20_21: IC20.21 RA3.1
NetIC21_2: IC21.2 R70.2
NetIC21_3: IC21.3 RA7.8
NetIC21_4: IC21.4 RA7.7
NetIC21_5: IC21.5 RA7.6
NetIC21_6: IC21.6 RA7.5
NetIC21_7: IC21.7 RA10.8
NetIC21_8: IC21.8 RA11.7
NetIC21_9: IC21.9 RA10.6
NetIC21_10: IC21.10 RA11.5
NetIC22_2: IC22.2 R71.2
NetIC22_14: IC22.14 RA14.4
NetIC22_15: IC22.15 RA14.3
NetIC22_16: IC22.16 RA14.2
NetIC22_17: IC22.17 RA13.1
NetIC22_18: IC22.18 RA10.4
NetIC22_19: IC22.19 RA11.3
NetIC22_20: IC22.20 RA10.2
NetIC22_21: IC22.21 RA9.1
NetIC25_2: IC25.2 R82.2
NetIC25_14: IC25.14 RA16.1
NetIC25_15: IC25.15 RA16.4
NetIC25_16: IC25.16 RA16.3
NetIC25_17: IC25.17 RA16.2
NetIC25_18: IC25.18 RA15.1
NetIC25_19: IC25.19 RA15.4
NetIC25_20: IC25.20 RA15.3
NetIC25_21: IC25.21 RA15.2
NetP6_2: P6.2 R12.2
NetR34_2: R34.2 U4.8
NetR35_2: R35.2 U4.9
NetR40_1: R40.1 U9.4
NetR41_1: R41.1 U10.4
NetR42_1: R42.1 U11.4
NetR46_2: R46.2 U12.7
NetR47_2: R47.2 U12.8
NetR48_2: R48.2 R50.1 U13.4
NetR49_2: R49.2 U12.6
NetR50_2: R50.2 U12.61 U13.3
NetR57_2: R57.2 U14.7
NetR58_2: R58.2 U14.8
NetR59_2: R59.2 R61.1 U15.4
NetR60_2: R60.2 U14.6
NetR61_2: R61.2 U14.61 U15.3
NetR65_1: R65.1 U16.14
NetR66_2: R66.2 R67.1 U16.19
NetU6_2: U6.2 U7.4 U8.2
NetU12_62: U12.62 U13.2
NetU12_63: U12.63 U13.1
NetU14_62: U14.62 U15.2
NetU14_63: U14.63 U15.1
"ON/OFF Remote": R6.2 SW1.3 U1.6 U2.6
OSCIN_MainMCU: C20.2 R11.2 U3.12 Y1.2
OSCOUT_MainMCU: C21.2 R11.1 U3.13 Y1.1
PC14_MainMCU: C18.2 X1.2
PC15_MainMCU: C19.2 X1.1
PLLFILT: C44.1 C45.1 IC5.34
"Power Switch": IC21.23 IC21.24 IC22.23 IC22.24 RA2.5 RA2.6 RA2.7 RA2.8 RA5.5 RA5.6 RA5.7 RA5.8
Power_Switch: IC19.23 IC19.24 IC20.23 IC20.24 IC25.23 IC25.24 J9.36 P1.14 P2.14 P3.14
R\D\: P2.24 U14.53
R\E\S\E\T\: J9.13 RA15.6
R\E\S\E\T\_FT: IC25.4 R78.2 U14.44
R\X\F\: P2.25 U14.48
RBIAS: IC5.35 R23.2
RES_DISP: C37.1 J9.2 R13.1 SW2.2 U3.14 U3.67
ResetN_FT2232_East: R62.2 R63.1 U14.14
ResetN_FT2232_West: R51.2 R52.1 U12.14
RESETn_USBHUB: C50.1 IC5.26 R21.1
RS232_VDD: C60.1 R33.2 U4.2 U4.3
RS485_VDD: C66.1 C67.2 C70.2 C71.1 IC6.2 IC6.8 R36.2
RX_232: P5.2 U4.15
RX_ADM2587: IC17.9 R37.1
RX_ADM3251: IC17.7 R34.1
RX_TTL_1: IC17.2 RA1.1
RX_TTL_2: IC17.8 IC19.21 RA2.1
SCK_DISP: J9.3 U3.29
SCL_I2C: P1.5 RA3.6 RA3.8
SCL_I2C_1: IC10.1 IC10.3 IC10.5 R44.2 U12.38
SCL_I2C_2: IC10.6 IC20.3
SDA_I2C: IC19.20 P1.4 RA2.2 RA3.7
SDA_I2C_IN: IC17.12 RA1.2
SDA_I2C_OUT: IC17.13 U12.40
SDA_OUT_1: IC17.4 IC20.4
Serial_VDD: C3.2 IC10.14 IC11.14 IC17.16 L1.2 R33.1 R36.1 | length 2.3
  Top Layer w1: C3.2@148.336,44.196 L1.2@150.632,44.196
SHILED: M1.1 M2.1 M4.1 M5.1 M6.1 P1.MH1 P1.MH2 P2.MH1 P2.MH2 P3.MH1 P3.MH2 P4.MH1 P4.MH2 P5.MH1 P5.MH2 PUSB1.SH1 PUSB1.SH2 PUSB1.SH3 PUSB1.SH4 PUSB1.SH5 PUSB1.SH6 PUSB1.SH7 PUSB1.SH8
  other v1: 7.62,5.22 5.923,5.923 9.317,5.923 5.22,7.62 10.02,7.62 5.923,9.317 9.317,9.317 7.62,10.02 99,47.1 97.303,47.803 100.697,47.803 96.6,49.5 101.4,49.5 97.303,51.197 100.697,51.197 99,51.9 7.62,89.04 191.38,89.04 5.923,89.743 9.317,89.743 189.683,89.743 193.077,89.743 5.22,91.44 10.02,91.44 188.98,91.44 193.78,91.44 5.923,93.137 9.317,93.137 189.683,93.137 193.077,93.137 7.62,93.84 191.38,93.84 203.794,142.596 202.097,143.299 205.491,143.299 201.394,144.996 206.194,144.996 202.097,146.693 205.491,146.693 203.794,147.396
SIWU_IN: P3.23 U12.55
SIWU_OUT: P2.23 U14.55
SYNC_IN(ETR_TIM1): U3.37 U6.4
SYNC_IN(TIM1_CH2): U3.41 U8.4
SYNC_OUT: J1.1 R40.2 R41.2 R42.2
SYNC_OUT_MCU: U3.39 U9.2 U10.2 U11.2
T\R\S\T\: J9.12 RA15.7
T\R\S\T\_MCU: IC25.3 R79.2 U3.90 U14.43
T\X\E\: P3.25 U12.52
TCK_JTAG: J9.11 RA6.7
TCK_JTAG_1: IC11.1 IC11.3 R54.2 U14.38
TCK_JTAG_2: IC11.2 IC20.8 U3.76
TCK_SPI_2: IC11.4 IC20.5
TDI_JTAG: J9.8 RA6.6
TDI_JTAG_2: IC11.12 U3.77
TDO_JTAG: IC19.18 J9.9 RA2.4
TDO_JTAG_1: IC17.19 IC18.3
TDO_JTAG_EXT: IC18.4 RA1.4
TDO_JTAG_MCU: IC18.2 IC20.9 U3.89
TMS_JTAG: J9.10 RA6.5
TMS_JTAG_MCU: IC11.10 IC20.10 U3.72
TX_232: P5.3 U4.16
TX_ADM2582: IC10.4 R38.1
TX_ADM3251: IC10.2 R35.1
USB_TTL_CTS: U3.53 U16.11
USB_TTL_RTS: U3.54 U16.3
USB_TTL_RX: U3.22 U16.5
USB_TTL_TX: U3.23 U16.1
USBUP_DM: IC5.30 PUSB1.2 U16.16
USBUP_DP: IC5.31 PUSB1.3 U16.15
VBUS_DET: IC5.27 R22.2 R24.2
VBUS_UP: FB1.2 R51.1 R62.1
VBUS_UP_Connect: C51.1 R22.1
VCAP: C35.1 C36.1 C118.1 C119.1 U3.48 U3.73
VCORE_1V8_East: C98.1 C99.1 C103.1 C104.1 C105.1 U14.12 U14.37 U14.49 U14.64
VCORE_1V8_West: C82.1 C83.1 C91.1 C92.1 C93.1 U12.12 U12.37 U12.49 U12.64
VDDA_MainMCU: C22.1 R9.1 R10.2 U3.21
VREF+: C33.1 C34.1 R10.1 U3.20
W\R\: P3.24 U12.54
Y_485: IC6.13 P4.9
Z_485: IC6.15 P4.8
pads on no net: 1.2 1.3 1.4 1.5 1.6 1.7 C114.1 C114.2 C115.1 C115.2 IC4.4 IC5.6 IC5.7 IC5.8 IC5.9 IC5.12 IC5.13 IC5.16 IC5.17 IC5.18 IC5.19 IC5.20 IC5.21 IC6.5 IC6.6 IC10.8 IC10.9 IC10.10 IC10.11 IC10.12 IC10.13 IC12.7 IC12.10 IC13.7 IC13.10 IC14.7 IC14.10 IC15.7 IC15.10 IC17.1 IC17.5 IC17.6 IC17.10 IC17.11 IC17.14 IC17.15 IC17.20 IC18.1 IC18.5 IC18.6 IC18.7 IC18.10 IC18.11 IC18.12 IC18.13 IC18.14 IC18.15 IC18.16 IC18.17 IC18.18 IC18.19 IC18.20 IC21.22 IC22.22 IC23.1 IC23.2 IC23.3 IC23.4 IC23.5 IC23.6 IC23.7 IC23.8 IC23.9 IC23.10 IC23.11 IC23.12 IC24.1 IC24.2 IC24.3 IC24.4 IC24.5 IC24.6 IC24.7 IC24.8 IC25.5 IC25.6 IC25.7 IC25.8 IC25.9 IC25.10 J3.1 J4.1 J5.1 J6.1 J8.1 J8.2 J8.3 J8.4 J8.5 J8.6 J8.7 J8.8 J8.9 J8.10 J8.11 J8.12 J8.13 J8.14 J8.15 J9. J9.14 J9.15 J9.16 J9.17 J9.18 J9.19 J9.20 J9.21 J9.22 J9.23 J9.24 J9.25 J9.26 J9.27 J9.28 J9.29 J9.30 J9.31 J9.32 J9.33 J10. J10.1 J10.2 J10.3 J10.4 J10.5 J10.6 J10.7 J10.8 J10.9 J10.10 J10.11 J10.12 J10.13 J10.14 J10.15 J10.16 J10.17 J10.18 J10.19 J10.20 J10.21 J10.22 J10.23 J10.24 J10.25 J10.26 J10.27 J10.28 J10.29 J10.30 J10.31 J10.32 J10.33 J10.34 J10.35 J10.36 J10.37 J10.38 J10.39 J10.40 M3.3 P4.2 P4.3 P4.6 P4.7 P5.1 P5.4 P5.6 P5.7 P5.8 P5.9 PUSB1.4 R39.1 R39.2 R72.1 R72.2 R73.1 R73.2 R74.1 R74.2 RA4.1 RA4.2 RA4.3 RA4.4 RA14.1 RA14.8 RA15.5 RA15.8 RA16.5 RA16.6 RA16.7 RA16.8 U1.4 U2.4 U3.1 U3.2 U3.3 U3.4 U3.5 U3.6 U3.7 U3.8 U3.9 U3.15 U3.16 U3.17 U3.18 U3.24 U3.25 U3.28 U3.30 U3.33 U3.35 U3.36 U3.38 U3.40 U3.42 U3.43 U3.44 U3.45 U3.46 U3.47 U3.51 U3.52 U3.63 U3.64 U3.65 U3.66 U3.70 U3.71 U3.78 U3.79 U3.80 U3.81 U3.82 U3.83 U3.84 U3.85 U3.86 U3.87 U3.88 U3.91 U3.92 U3.93 U3.95 U3.96 U3.97 U3.98 U4.1 U5.10 U5.19 U6.1 U7.1 U8.1 U9.1 U10.1 U11.1 U12.26 U12.27 U12.28 U12.29 U12.30 U12.32 U12.33 U12.34 U12.36 U12.41 U12.43 U12.44 U12.45 U12.46 U12.48 U12.53 U12.57 U12.58 U12.59 U14.4 U14.9 U14.26 U14.27 U14.28 U14.29 U14.30 U14.32 U14.33 U14.34 U14.36 U14.45 U14.46 U14.52 U14.54 U14.57 U14.58 U14.59 U16.2 U16.6 U16.8 U16.9 U16.10 U16.12 U16.13 U16.22 U16.23 U16.24
copper on no net:
  other v1: 191.38,5.22 189.683,5.923 193.077,5.923 188.98,7.62 193.78,7.62 189.683,9.317 193.077,9.317 191.38,10.02

## Silkscreen, mask and mechanical layers (free items; w line width, h text height)
Mechanical 1:
  lines w0.05: -0.467,-0.66 199.533,-0.66 199.533,99.34 -0.467,99.34 -0.467,-0.66

## Text inside footprints (layer, text, board x,y; h text height)
1: Mechanical 13 "4X0402" at 243.494,55.096 h0.5; Mechanical 13 "0603X4" at 243.494,50.396 h0.5
J9: Top Overlay "40" at 56.15,79.8 h0.8 r180
J10: Top Overlay "40" at 32.84,13.424 h0.8
P1: Bottom Overlay "13" at 57.976,8.724 h1 r180; Bottom Overlay "25" at 56.96,6.184 h1 r180; Bottom Overlay "14" at 20.892,6.184 h1 r180; Bottom Overlay "1" at 20.892,8.724 h1 r180
P2: Bottom Overlay "1" at 140.516,8.724 h1 r180; Bottom Overlay "14" at 140.516,6.184 h1 r180; Bottom Overlay "25" at 176.584,6.184 h1 r180; Bottom Overlay "13" at 177.6,8.724 h1 r180
P3: Bottom Overlay "13" at 23.403,90.276 h1; Bottom Overlay "25" at 24.419,92.816 h1; Bottom Overlay "14" at 60.487,92.816 h1; Bottom Overlay "1" at 60.487,90.276 h1
P4: Bottom Overlay "6" at 108.091,5.992 h1 r180; Bottom Overlay "1" at 108.091,8.532 h1 r180; Bottom Overlay "5" at 122.823,8.532 h1 r180; Bottom Overlay "9" at 121.807,5.992 h1 r180
P5: Bottom Overlay "6" at 75.891,5.992 h1 r180; Bottom Overlay "1" at 75.891,8.532 h1 r180; Bottom Overlay "5" at 90.623,8.532 h1 r180; Bottom Overlay "9" at 89.607,5.992 h1 r180
PUSB1: Mechanical 1 "PCB EDGE" at 164.3,100.4 h0.8
RA1: Mechanical 13 "4X0402" at 254.546,68.918 h0.5; Mechanical 13 "0603X4" at 254.546,64.218 h0.5
RA2: Mechanical 13 "4X0402" at 248.704,68.918 h0.5; Mechanical 13 "0603X4" at 248.704,64.218 h0.5
RA3: Mechanical 13 "4X0402" at 242.836,68.918 h0.5; Mechanical 13 "0603X4" at 242.836,64.218 h0.5
RA4: Mechanical 13 "4X0402" at 236.994,68.918 h0.5; Mechanical 13 "0603X4" at 236.994,64.218 h0.5
RA5: Mechanical 13 "4X0402" at 218.038,69.224 h0.5; Mechanical 13 "0603X4" at 218.038,64.524 h0.5
RA6: Mechanical 13 "4X0402" at 212.28,68.918 h0.5; Mechanical 13 "0603X4" at 212.28,64.218 h0.5
RA7: Mechanical 13 "4X0402" at 207.655,69.018 h0.5; Mechanical 13 "0603X4" at 207.655,64.318 h0.5
RA8: Mechanical 13 "4X0402" at 203.896,69.183 h0.5; Mechanical 13 "0603X4" at 203.896,64.483 h0.5
RA9: Mechanical 13 "4X0402" at 229.494,53.096 h0.5; Mechanical 13 "0603X4" at 229.494,48.396 h0.5
RA10: Mechanical 13 "4X0402" at 234.494,53.096 h0.5; Mechanical 13 "0603X4" at 234.494,48.396 h0.5
RA11: Mechanical 13 "4X0402" at 222.494,53.096 h0.5; Mechanical 13 "0603X4" at 222.494,48.396 h0.5
RA12: Mechanical 13 "4X0402" at 215.494,53.096 h0.5; Mechanical 13 "0603X4" at 215.494,48.396 h0.5
RA13: Mechanical 13 "4X0402" at 208.494,53.096 h0.5; Mechanical 13 "0603X4" at 208.494,48.396 h0.5
RA14: Mechanical 13 "4X0402" at 201.494,53.096 h0.5; Mechanical 13 "0603X4" at 201.494,48.396 h0.5
RA15: Mechanical 13 "4X0402" at 207.784,25.23 h0.5; Mechanical 13 "0603X4" at 207.784,20.53 h0.5
RA16: Mechanical 13 "4X0402" at 200.672,25.23 h0.5; Mechanical 13 "0603X4" at 200.672,20.53 h0.5